# Altium PCB Board.PcbDoc (part 2 of 7) (continued)
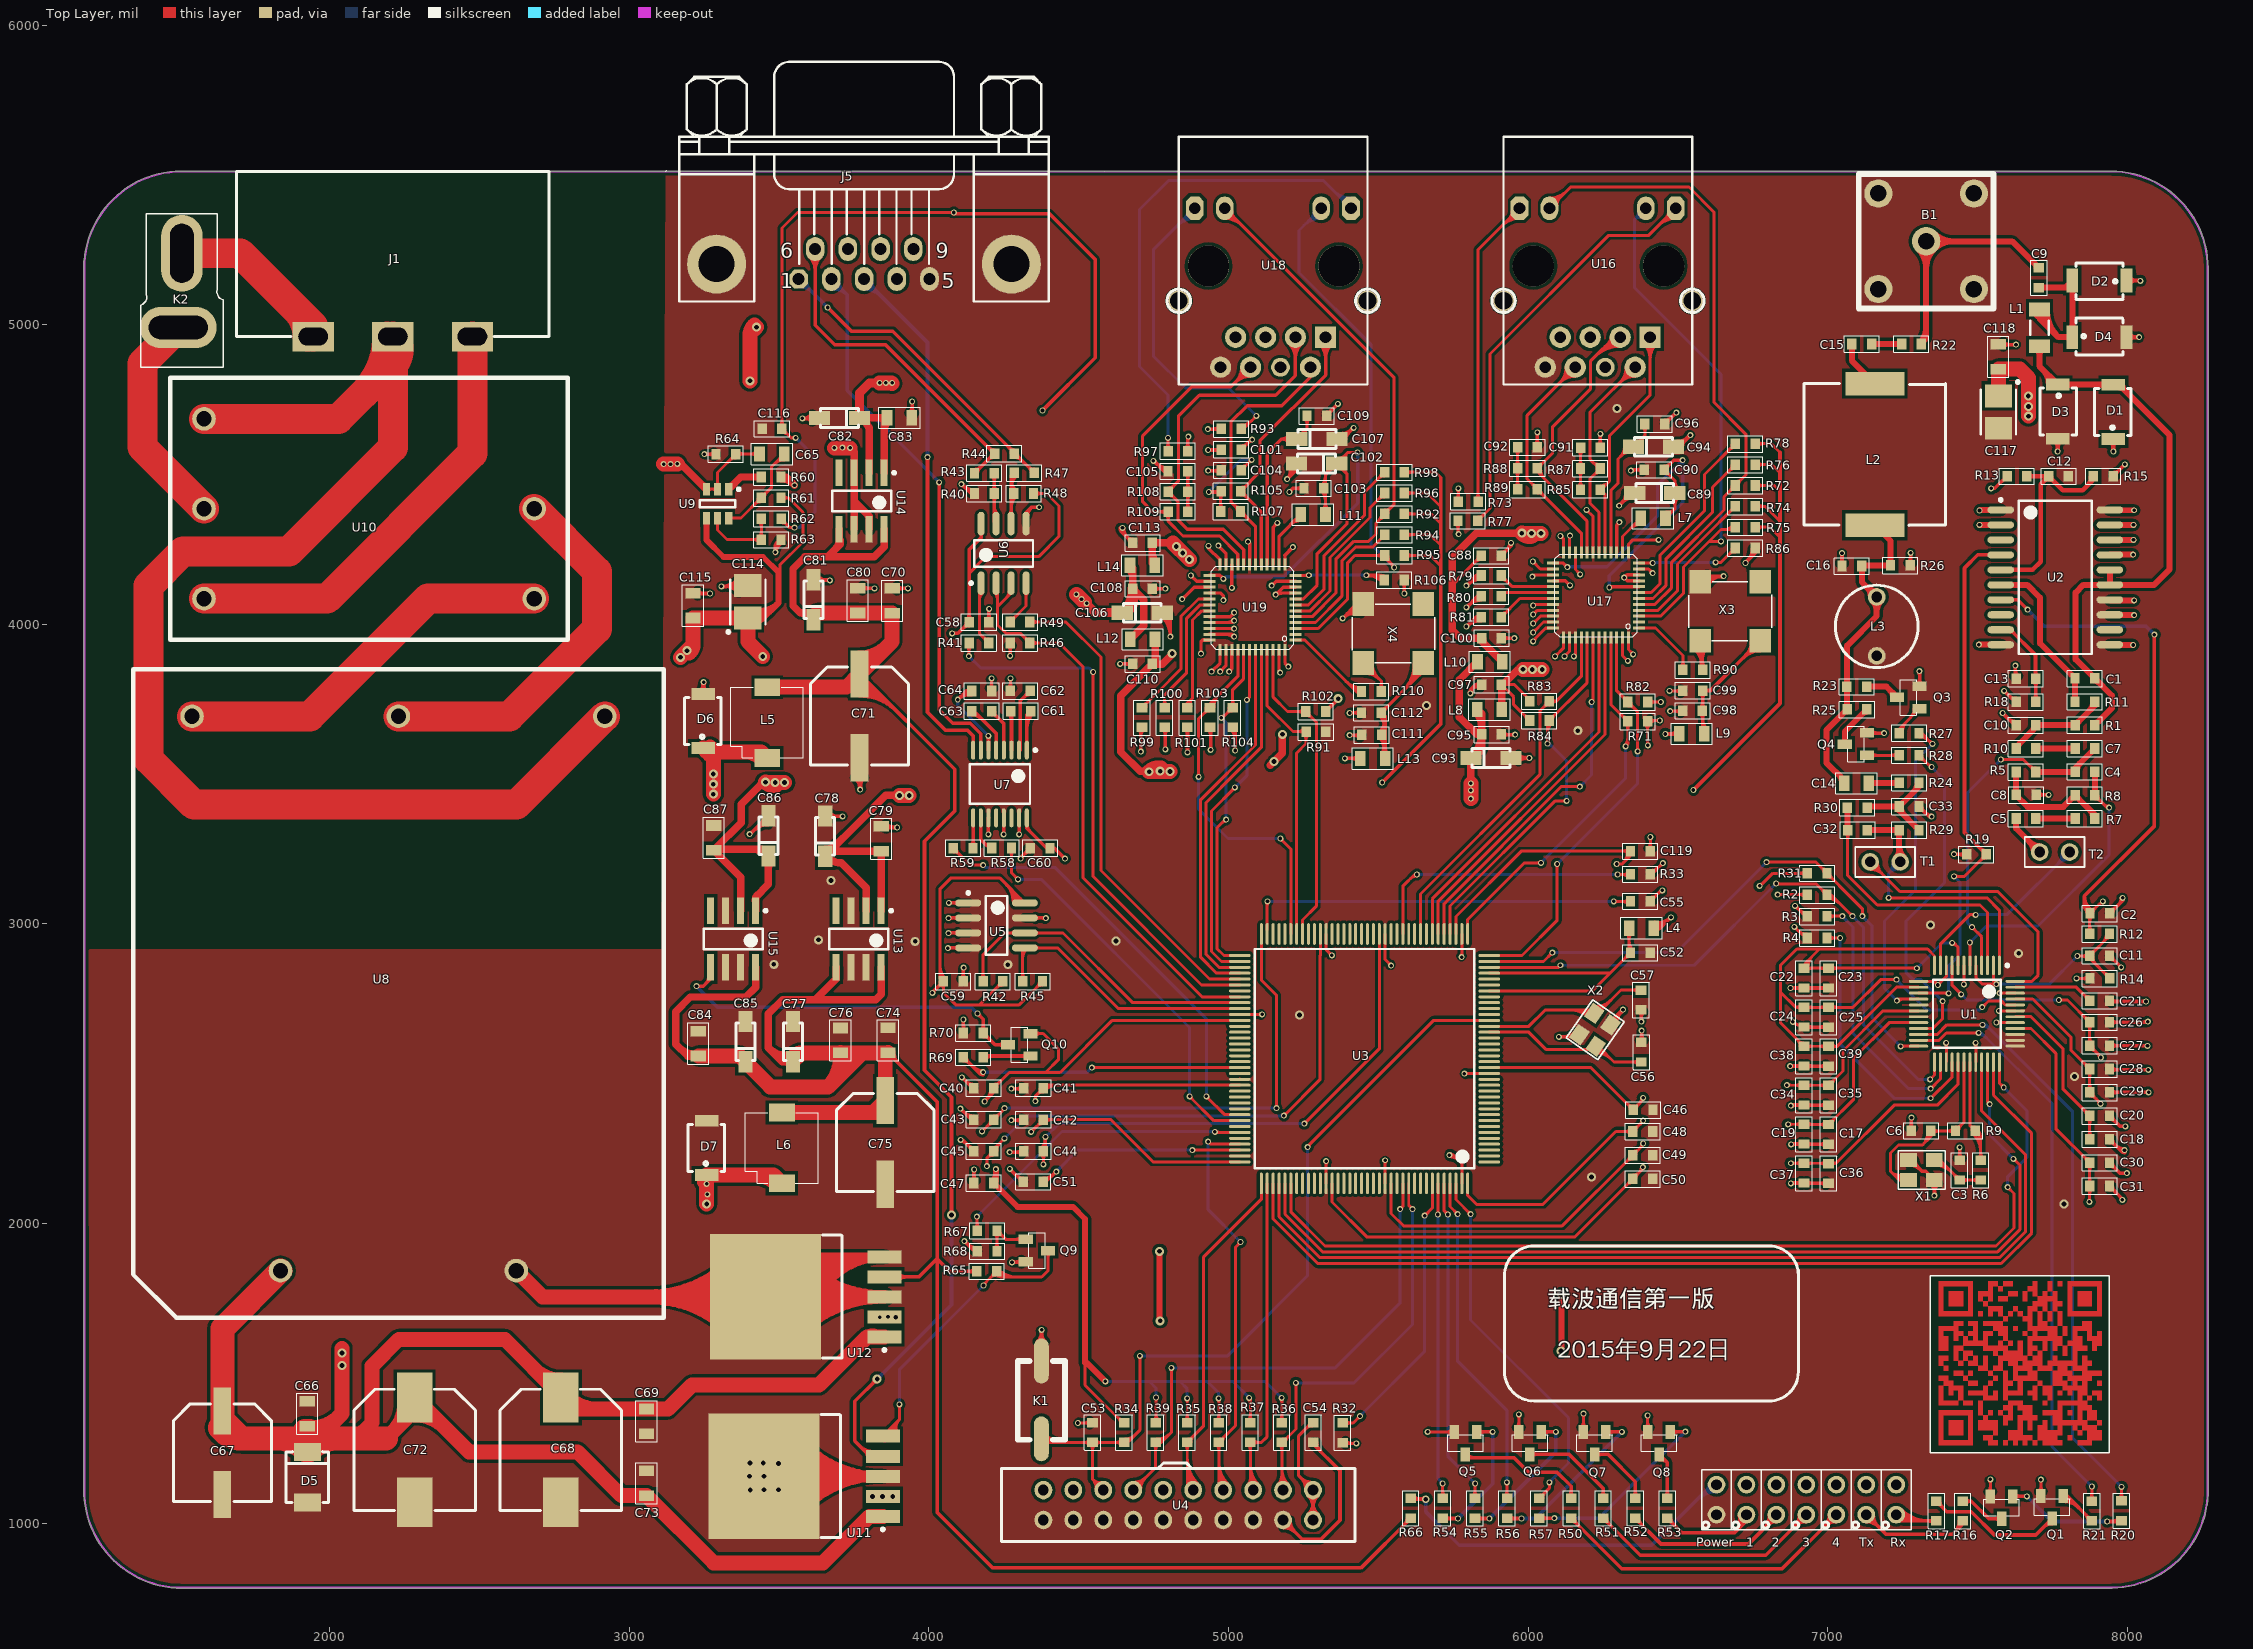
[diagram p0: Top Layer view]
## Nets (pads, with @x,y where several pads share a name; then routed paths per layer and width w, separated by ;. In a path a pad name is that pad's centre, name@x,y a point inside that pad or via, vN(x,y) a via of type N, cw(c..) or ccw(c..) an arc to the next point about the centre after c; other vN are vias at no path point) (continued)
  Top Layer w12: C115.1@3212,4104 3213,4103 v1(3269,4103) ; C115.1@3228.16,4095.72 cw(c3245.75,4078.13) 3245.75,4103 ; C115.1@3228.16,4112.28 ccw(c3250.57,4134.7) 3250.57,4103 ; D6.1@3236.32,3777.68 ccw(c3212.96,3801.04) 3246,3801.04 ccw(c3279.04,3801.04) D6.1@3255.68,3777.68 ; 3244.88,3796.87 cw(c3255.49,3794.02) v1@3250,3803.54 ; D6.1@3246,3768 3246,3805 v1(3248,3807) ; 3246,3792.51 cw(c3262.49,3792.51) v1@3250.83,3804.17 ; 3248.87,3790.33 cw(c3265.83,3794.88) v1@3251.31,3804.75 ; v1(3250,4568) R64.1@3289,4568 ; R64.1@3282.11,4561.11 ccw(c3265.47,4544.47) 3265.47,4568 ccw(c3265.47,4591.53) R64.1@3282.11,4574.89 ; v1@3309,4123.54 cw(c3317.54,4108.75) 3321.96,4125.24 ; v1@3315.4,4127 cw(c3315.4,4056.56) C114.1@3365.21,4106.37 ; 3335.09,4127 ccw(c3335.09,4179.99) C114.1@3373.38,4143.36 ; 3344.37,4127 cw(c3344.37,4085.53) C114.1@3373.7,4114.85 ; C114.1@3364.71,4151.65 cw(c3307,4206.86) v1(3307,4127) 3392.73,4127 C114.1@3395,4129.27 ; v1(3401,3300) 3403.08,3300 C86.1@3464,3360.92 ; v1@3401,3304 ccw(c3401,3318.68) 3411.38,3308.3 ; 3413.75,3310.68 cw(c3464,3260.43) C86.1@3464,3331.49 ; 3434.24,3331.16 cw(c3464,3301.4) C86.1@3464,3343.49 ; C86.1@3442.27,3339.19 ccw(c3432.35,3349.11) C86.1@3446.38,3349.11 ; v1@3485,4244.46 ccw(c3478.28,4256.1) 3491.26,4252.62 ; v1@3487,4236.72 cw(c3525.77,4236.72) R63.1@3509.97,4272.13 ; v1(3487,4241) 3487,4264 ; 3487,4255.22 cw(c3517.52,4255.22) R63.1@3505.08,4283.09 ; R63.1@3490.75,4267.75 ccw(c3477.47,4281.03) R63.1@3496.25,4281.03 ; R63.1@3505.62,4271.29 ccw(c3504.65,4246.36) 3487,4264 ; R63.1@3506,4283 3487,4264 ; R60.1@3506,4492 3524,4492 ; R60.1@3514.16,4486.67 cw(c3524,4480.26) 3524,4492 ; R60.1@3514.16,4497.33 ccw(c3524,4503.74) 3524,4492 ; v1(3577,4688) 3633.08,4688 C82.1@3634.08,4689 ; v1@3577.31,4688 ccw(c3577.31,4733.96) C82.1@3609.81,4701.46 ; v1@3579,4684.54 cw(c3586.1,4672.24) 3589.77,4685.95 ; v1@3582.14,4688 cw(c3582.14,4648.87) C82.1@3609.81,4676.54 ; C81.1@3615,4148.92 3616.92,4147 v1(3669,4147) ; C81.1@3627.46,4136.46 cw(c3652.9,4111.02) 3652.9,4147 ; C81.1@3627.46,4161.38 ccw(c3662.18,4196.1) v1@3662.18,4147 ; C78.1@3653.43,3359.92 3654.35,3359 v1(3712,3359) ; 3655.1,4148.9 ccw(c3659.16,4164.05) v1@3667,4150.46 ; C78.1@3665.89,3347.46 cw(c3693.75,3319.6) 3693.75,3359 ; C78.1@3665.89,3372.38 ccw(c3698.2,3404.69) 3698.2,3359 ; C71.1@3752.23,3487.95 cw(c3716.14,3447.97) v1(3770,3448) ; C71.1@3760.27,3496.85 cw(c3740.52,3474.97) 3770,3474.97 ; C80.2@3762,4120.68 3762.68,4120 v1(3818,4120) ; C71.1@3768,3554.62 3770,3552.62 v1(3770,3448) ; v1@3770,3453.44 cw(c3819.97,3453.44) C71.1@3784.64,3488.77 ; 3772.02,3460.97 ccw(c3785.99,3457.23) v1@3773.46,3450 ; C80.2@3778.16,4112.39 cw(c3796.53,4094.03) 3796.53,4120 ; C80.2@3778.16,4128.96 ccw(c3799.8,4150.6) 3799.8,4120 ; C79.2@3841,3325.68 3844.68,3322 v1(3894,3322) ; C79.2@3857.16,3317.39 cw(c3868.28,3306.27) 3868.28,3322 ; C79.2@3857.16,3333.96 ccw(c3886.04,3362.84) v1@3886.04,3322 ; C70.1@3877,4120 v1(3930,4120) ; 3879.33,3323.8 ccw(c3883.65,3339.92) v1@3892,3325.46 ; C70.1@3893.16,4111.72 cw(c3913.16,4091.71) 3913.16,4120 cw(c3913.16,4148.29) C70.1@3893.16,4128.28 ; C83.2@3934.39,4706.16 ccw(c3911.2,4729.35) 3944,4729.35 ; C83.2@3942.68,4690 3944,4691.32 v1(3944,4744) ; 3944,4722.97 ccw(c3967.77,4722.97) C83.2@3950.96,4706.16 ; v1(4063,2919) 4064,2920 U5.4@4131,2920 ; v1(4065,2969) 4066,2970 U5.3@4131,2970 ; v1(4065,3019) 4066,3020 U5.2@4131,3020 ; v1@4065.83,2916.17 cw(c4075.07,2906.93) 4075.07,2920 ; v1(4066,3070) U5.1@4131,3070 ; v1@4067.83,2966.17 cw(c4077.07,2956.93) 4077.07,2970 ; v1@4067.83,3016.17 cw(c4077.07,3006.93) 4077.07,3020 ; U5.4@4095.39,2915.89 ccw(c4085.47,2905.97) 4085.47,2920 ccw(c4085.47,2934.03) U5.4@4095.39,2924.11 ; U5.3@4095.39,2965.89 ccw(c4085.47,2955.97) 4085.47,2970 ccw(c4085.47,2984.03) U5.3@4095.39,2974.11 ; U5.2@4095.39,3015.89 ccw(c4085.47,3005.97) 4085.47,3020 ccw(c4085.47,3034.03) U5.2@4095.39,3024.11 ; U5.1@4095.39,3065.89 ccw(c4085.47,3055.97) 4085.47,3070 ccw(c4085.47,3084.03) U5.1@4095.39,3074.11 ; v1(4105,2383) 4141.67,2346.33 C43.1@4150,2346.33 ; v1@4106,2275 cw(c4106,2251.66) 4122.5,2268.16 ; v1(4106,2279) 4111.67,2279 C45.1@4150,2240.67 ; C59.1@4107.11,2816.86 ccw(c4090.47,2833.5) 4114,2833.5 ccw(c4137.53,2833.5) C59.1@4120.89,2816.86 ; R70.1@4108.11,2644.86 ccw(c4091.47,2661.5) 4115,2661.5 ccw(c4138.53,2661.5) R70.1@4121.89,2644.86 ; v1(4110,2488) 4146,2452 C40.1@4150,2452 ; C59.1@4114,2808 4114,2852 v1(4116,2854) ; 4114,2839.51 cw(c4130.49,2839.51) v1@4118.83,2851.17 ; R70.1@4115,2636 v1(4115,2681) ; 4115.77,2372.23 ccw(c4150,2406.45) C43.1@4150,2358.05 ; v1(4118,1941) 4152,1907 R68.1@4161,1907 ; v1@4121.86,1942.04 ccw(c4140.41,1947) 4130.81,1930.38 ; v1@4122,1941.08 ccw(c4132.07,1941.28) 4127.03,1932.56 ; 4123.17,2474.83 ccw(c4150,2501.66) C40.1@4150,2463.72 ; 4125.63,1933.37 ccw(c4161,1968.73) R68.1@4161,1918.72 ; 4130,2260.67 ccw(c4150,2280.67) C45.1@4150,2252.38 ; C45.1@4134.75,2255.92 cw(c4121.47,2242.64) C45.1@4140.25,2242.64 ; C47.1@4143.11,2143.86 ccw(c4126.47,2160.5) 4150,2160.5 ccw(c4173.53,2160.5) C47.1@4156.89,2143.86 ; C47.1@4150,2135 4150,2179 v1(4151,2180) ; 4150,2167.93 cw(c4163.07,2167.93) v1@4153.83,2177.17 ; C58.2@4193.11,4016.3 ccw(c4176.47,4032.94) 4200,4032.94 ccw(c4223.53,4032.94) C58.2@4206.89,4016.3 ; v1(4198,3299) 4198,3353.2 U7.11@4198.61,3353.81 ; C58.2@4200,4007.44 4200,4051 v1(4201,4052) ; 4200,4039.93 cw(c4213.07,4039.93) v1@4203.83,4049.17 ; v1(4249,3299) 4249,3353.02 U7.13@4249.8,3353.81 ; R46.1@4264.11,3929.14 cw(c4247.47,3912.5) 4271,3912.5 cw(c4294.53,3912.5) R46.1@4277.89,3929.14 ; v1(4269,2238) 4313.33,2238 C44.1@4316,2240.67 ; v1(4270,2182) 4313,2139 C51.1@4315,2139 ; v1(4271,3895) R46.1@4271,3938 ; v1(4275,2345) 4314.67,2345 C42.1@4316,2346.33 ; v1(4275,2450) 4314,2450 C41.1@4316,2452 ; v1(4277,1870) 4320.8,1870 Q9.1@4323,1872.2 ; v1@4279,1873.46 ccw(c4287.93,1888.94) 4292.56,1871.68 ; v1@4286.29,1870 ccw(c4286.29,1901.03) Q9.1@4308.23,1879.09 ; 4290.78,2238 ccw(c4290.78,2263.92) C44.1@4309.11,2245.59 ; 4290.93,2345 cw(c4290.93,2319.3) C42.1@4309.11,2337.47 ; 4291.58,2160.42 ccw(c4315,2183.83) C51.1@4315,2150.72 ; 4292.39,2450 ccw(c4292.39,2473.64) C41.1@4309.11,2456.92 ; 4292.54,2450 cw(c4292.54,2426.57) C41.1@4309.11,2443.14 ; 4294,2345 ccw(c4294,2366.36) C42.1@4309.11,2351.26 ; 4294.15,2238 cw(c4294.15,2216.85) C44.1@4309.11,2231.81 ; 4296.9,1870 cw(c4296.9,1853.97) Q9.1@4308.23,1865.3 ; v1(4301,3299) U7.15@4300.98,3353.81 ; C51.1@4301.17,2150.83 cw(c4291.3,2140.97) C51.1@4305.25,2140.97 ; v1(4306,3218) 4306,3221 C60.1@4338,3253 ; v1@4310,3218 cw(c4326.9,3218) 4314.95,3229.95 ; 4318,3233 cw(c4338,3213) C60.1@4338,3241.28 ; U5.7@4319.98,3020 4389,3020 v1(4390,3019) ; C60.1@4322.75,3237.75 ccw(c4309.47,3251.03) C60.1@4328.25,3251.03 ; U6.5@4324,4336.41 4324,4373 4342,4391 v1(4368,4391) ; U6.5@4329.81,4363.97 cw(c4365.64,4363.97) 4340.31,4389.31 ; U5.7@4355.58,3015.89 cw(c4365.5,3005.97) 4365.5,3020 cw(c4365.5,3034.03) U5.7@4355.58,3024.11 ; 4377.93,3020 cw(c4377.93,3006.93) v1@4387.17,3016.17 ; v1(4638,3868) C110.2@4680,3868 ; v1@4638,4322 ccw(c4657.31,4322) 4643.66,4308.34 ; v1(4646,4322) 4646,4306 C113.2@4680,4272 ; v1@4650,4322 ccw(c4698.28,4322) 4664.14,4287.86 ; 4660,4292 ccw(c4680,4312) C113.2@4680,4283.72 ; C113.2@4664.75,4287.25 cw(c4651.47,4273.97) C113.2@4670.25,4273.97 ; C110.2@4673.11,3861.11 ccw(c4656.47,3844.47) 4656.47,3868 ccw(c4656.47,3891.53) C110.2@4673.11,3874.89 ; C108.1@4746,4119 v1(4789,4119) ; C108.1@4752.89,4112.11 cw(c4769.53,4095.47) 4769.53,4119 cw(c4769.53,4142.53) C108.1@4752.89,4125.89 ; C106.1@4778.27,4026.54 cw(c4711.33,3959.6) v1@4806,3959.6 ; C106.1@4778.92,4039 4806,4011.92 ; C106.1@4786.76,4035.02 cw(c4740.3,3988.57) 4806,3988.57 ; C106.1@4790.73,4021.38 cw(c4790.73,4007.35) C106.1@4800.65,4017.27 ; C106.1@4795.24,4043.51 cw(c4769.27,4017.54) C106.1@4806,4017.54 ; C106.1@4804.83,4028.42 ccw(c4814.93,4020.85) 4806,4011.92 ; v1(4806,3959) 4806,4011.92 ; v1(4932,4513) 4974.11,4513 C104.2@4975.85,4514.74 ; 4951.75,4513 cw(c4951.75,4488.67) C104.2@4968.96,4505.87 ; 4952.88,4513 ccw(c4952.88,4535.74) C104.2@4968.96,4519.66 ; v1(5011,4122) v1@5011.1,4122.1 ; U3.94@5037.66,2481.1 U3.94@5037.66,2481.79 ; C101.2@5042,4583.26 5075.74,4617 v1(5079,4617) ; C101.2@5042,4594.98 ccw(c5042,4623.27) 5062,4603.27 ; C101.2@5051.75,4585.23 cw(c5070.53,4585.23) C101.2@5057.25,4598.51 ; v1(5065,4276) 5070.16,4270.84 U19.19@5070.16,4199.27 ; 5066.6,4607.86 cw(c5079,4595.46) v1@5079,4613 ; U4.4@5182,985 cw(c5182,924.64) 5224.68,967.32 ; U4.4@5182,997 cw(c5182,965.62) 5204.19,987.81 ; U4.4@5182,1010 5246,946 5309,946 5372,1009 5372,1174 5283,1263 C54.1@5283,1269.15 ; 5188.27,4231.27 v1(5215,4258) ; C102.1@5200.48,4527.42 cw(c5172.02,4508.98) v1(5196,4485) 5227.08,4516.08 C102.1@5227.08,4537 ; v1(5203,4442) 5215,4454 C103.1@5252,4454 ; U4.4@5205.53,1008.53 ccw(c5258.77,1008.53) 5221.12,970.88 ; 5206.49,4495.49 ccw(c5184.75,4517.23) C102.1@5210.55,4533.94 ; 5216.98,4505.98 ccw(c5197.48,4525.47) C102.1@5220.62,4540.47 ; C102.1@5227.47,4516.47 ccw(c5210.21,4533.72) C102.1@5230.69,4546.99 ; C103.1@5245.11,4447.11 ccw(c5228.47,4430.47) 5228.47,4454 ccw(c5228.47,4477.53) C103.1@5245.11,4460.89 ; C54.1@5294.72,1269.15 ccw(c5337.85,1269.15) 5307.35,1238.65 ; C109.1@5328,4696 5328,4699 v1(5365,4736) ; C109.1@5328,4707.72 ccw(c5328,4728.76) 5342.88,4713.88 ; C109.1@5337.75,4697.97 cw(c5363.77,4697.97) 5345.37,4716.37 ; C107.1@5361.92,4619 5381,4619 v1(5418,4656) ; C107.1@5373.73,4624.62 ccw(c5373.73,4655.74) C107.1@5395.74,4633.74 ; C107.1@5373.73,4636.62 ccw(c5373.73,4696.71) v1@5416.22,4654.22 ; C107.1@5391.35,4619 cw(c5416.35,4619) 5398.68,4636.68 ; 5395.42,4034.42 cw(c5431.25,3998.58) X4.2@5445.2,4047.3 ; v1(5404,3630) C111.2@5444,3630 ; v1(5404,3704) 5405,3705 C112.2@5444,3705 ; v1@5406.83,3701.17 cw(c5416.07,3691.93) 5416.07,3705 ; 5408.6,4649.82 ccw(c5402.66,4660.11) v1@5414.14,4657.04 ; 5409.83,4048.83 cw(c5437.67,4020.99) X4.2@5448.5,4058.84 ; 5419.13,3630 cw(c5419.13,3603.16) C111.2@5438.11,3622.14 ; 5423.8,3630 ccw(c5423.8,3650.23) C111.2@5438.11,3635.92 ; C112.2@5437.11,3698.11 ccw(c5420.47,3681.47) 5420.47,3705 ccw(c5420.47,3728.53) C112.2@5437.11,3711.89 ; X4.2@5441.9,4035.77 ccw(c5424.84,3976.17) v1(5381,4020) 5429,4068 X4.2@5450,4068 ; C88.2@5910,4229 5943,4262 v1(5943,4272) ; C88.2@5910,4240.72 ccw(c5910,4269) 5930,4249 ; C88.2@5919.75,4230.97 cw(c5938.53,4230.97) C88.2@5925.25,4244.25 ; 5929.1,4248.1 ccw(c5905.2,4272) v1@5939,4272 ; C92.2@6024.26,4599.86 ccw(c6007.98,4616.14) 6031,4616.14 ; 6031,4616.86 ccw(c6055.04,4616.86) C92.2@6038.04,4599.86 ; v1(6031,4641) 6031,4591.15 C92.2@6031.15,4591 ; v1(6103,2623) 6163.79,2623 X2.4@6171.17,2630.39 ; 6116.32,2623 ccw(c6116.32,2679.76) X2.4@6156.46,2639.62 ; 6136.43,2623 cw(c6136.43,2594.67) X2.4@6156.46,2614.7 ; X2.4@6145.29,2623 ccw(c6145.29,2650.79) X2.4@6164.94,2631.14 ; C91.2@6234.26,4598.86 ccw(c6217.98,4615.14) 6241,4615.14 ; 6241,4615.86 ccw(c6265.04,4615.86) C91.2@6248.04,4598.86 ; v1(6241,4636) 6241,4590.15 C91.2@6241.15,4590 ; X2.2@6275.68,2662.95 6275.68,2672.68 v1(6317,2714) ; X2.2@6277.94,2683.8 ccw(c6277.94,2705.18) 6293.06,2690.06 ; X2.2@6283.56,2666.18 cw(c6318.29,2666.18) 6293.73,2690.73 ; X2.2@6295.56,2666.18 cw(c6359.26,2666.18) v1@6314.22,2711.22 ; v1@6302.96,4399.86 ccw(c6297.8,4419.15) 6315.09,4409.17 ; v1@6303.77,4399.99 ccw(c6303.1,4411.55) 6313.12,4405.76 ; v1(6304,4396) 6347,4439 C89.1@6356.08,4439 ; 6310.06,2704.02 cw(c6321.43,2697.45) v1@6318.04,2710.14 ; 6312.25,4404.25 ccw(c6277.51,4439) C89.1@6326.65,4439 ; 6318.85,4410.85 cw(c6344.27,4385.43) C89.1@6344.27,4421.38 ; v1(6343,4513) 6346,4516 C90.1@6388,4516 ; v1@6345.83,4510.17 cw(c6359.9,4496.1) 6359.9,4516 ; C57.1@6372.08,2706.11 cw(c6357.77,2691.8) 6378,2691.8 ; C56.1@6373.08,2611.89 ccw(c6358.77,2626.2) 6379,2626.2 ; C57.1@6377,2713 6378,2712 v1(6378,2674) ; C56.1@6378,2605 6379,2606 v1(6379,2644) ; 6378,2687.13 cw(c6404.84,2687.13) C57.1@6385.86,2706.11 ; 6379,2630.87 ccw(c6405.84,2630.87) C56.1@6386.86,2611.89 ; C90.1@6381.11,4509.11 ccw(c6364.47,4492.47) 6364.47,4516 ccw(c6364.47,4539.53) C90.1@6381.11,4522.89 ; C96.1@6456,4669 6494,4707 v1(6495,4707) ; C96.1@6456,4680.72 ccw(c6456,4709) 6476,4689 ; C96.1@6465.75,4670.97 cw(c6484.53,4670.97) C96.1@6471.25,4684.25 ; C94.1@6485.92,4593 6503,4593 v1(6542,4632) ; 6486.46,4699.46 cw(c6495,4690.93) v1@6495,4703 ; C94.1@6497.73,4610.62 ccw(c6497.73,4665.88) v1@6536.81,4626.81 ; C94.1@6515.35,4593 cw(c6545.18,4593) 6524.09,4614.09 ; 6530.61,4623.23 ccw(c6522.54,4637.21) v1@6538.14,4633.04 ; v1(6875,2525) 6875.6,2525.6 C38.1@6921,2525.6 6921.4,2525.2 C39.1@7003,2525.2 ; v1(6876,2786) C23.1@7003,2786 ; v1(6877,2134) 6878,2135 C37.1@6921,2135 6922,2134 C36.1@7003,2134 ; v1(6877,2393) 6879.4,2395.4 C34.1@6921,2395.4 6921.6,2394.8 C35.1@7003,2394.8 ; v1@6877.83,2522.17 cw(c6886.11,2513.89) 6886.11,2525.6 ; v1(6878,2264) 6879.2,2265.2 C19.1@6921,2265.2 6921.8,2264.4 C17.1@7003,2264.4 ; v1@6879.83,2131.17 cw(c6889.07,2121.93) 6889.07,2135 ; v1@6879.83,2390.17 cw(c6892.45,2377.55) 6892.45,2395.4 ; v1@6880.83,2261.17 cw(c6890.55,2251.45) 6890.55,2265.2 ; v1(6884,2673) ccw(c6913.04,2702.04) C24.1@6913.04,2660.97 ; C37.1@6912.14,2128.11 ccw(c6895.5,2111.47) 6895.5,2135 ccw(c6895.5,2158.53) C37.1@6912.14,2141.89 ; C19.1@6912.14,2258.31 ccw(c6895.5,2241.67) 6895.5,2265.2 ccw(c6895.5,2288.73) C19.1@6912.14,2272.09 ; C34.1@6912.14,2388.51 ccw(c6895.5,2371.87) 6895.5,2395.4 ccw(c6895.5,2418.93) C34.1@6912.14,2402.29 ; C38.1@6912.14,2518.71 ccw(c6895.5,2502.07) 6895.5,2525.6 ccw(c6895.5,2549.13) C38.1@6912.14,2532.49 ; C22.1@6912.14,2779.11 ccw(c6895.5,2762.47) 6895.5,2786 ccw(c6895.5,2809.53) C22.1@6912.14,2792.89 ; C24.1@6921,2655.8 6921.2,2655.6 C25.1@7003,2655.6 ; C37.1@6929.86,2128.11 cw(c6944.09,2113.88) 6944.09,2134 ; C37.1@6929.86,2141.89 ccw(c6948.92,2160.95) 6948.92,2134 ; C19.1@6929.86,2258.31 cw(c6944.57,2243.6) 6944.57,2264.4 ; C19.1@6929.86,2272.09 ccw(c6948.43,2290.67) 6948.43,2264.4 ; C34.1@6929.86,2388.51 cw(c6945.05,2373.31) 6945.05,2394.8 ; C34.1@6929.86,2402.29 ccw(c6947.95,2420.38) 6947.95,2394.8 ; C38.1@6929.86,2518.71 cw(c6945.54,2503.03) 6945.54,2525.2 ; C38.1@6929.86,2532.49 ccw(c6947.47,2550.1) 6947.47,2525.2 ; C24.1@6929.86,2648.91 cw(c6946.02,2632.75) 6946.02,2655.6 ; C24.1@6929.86,2662.69 ccw(c6946.99,2679.82) 6946.99,2655.6 ; C22.1@6929.86,2779.11 cw(c6946.5,2762.47) 6946.5,2786 cw(c6946.5,2809.53) C22.1@6929.86,2792.89 ; C36.1@6994.14,2127.11 ccw(c6977.5,2110.47) 6977.5,2134 ccw(c6977.5,2157.53) C36.1@6994.14,2140.89 ; C17.1@6994.14,2257.51 ccw(c6977.5,2240.87) 6977.5,2264.4 ccw(c6977.5,2287.93) C17.1@6994.14,2271.29 ; C35.1@6994.14,2387.91 ccw(c6977.5,2371.27) 6977.5,2394.8 ccw(c6977.5,2418.33) C35.1@6994.14,2401.69 ; C39.1@6994.14,2518.31 ccw(c6977.5,2501.67) 6977.5,2525.2 ccw(c6977.5,2548.73) C39.1@6994.14,2532.09 ; C25.1@6994.14,2648.71 ccw(c6977.5,2632.07) 6977.5,2655.6 ccw(c6977.5,2679.13) C25.1@6994.14,2662.49 ; C23.1@6994.14,2779.11 ccw(c6977.5,2762.47) 6977.5,2786 ccw(c6977.5,2809.53) C23.1@6994.14,2792.89 ; C16.2@7041.11,4203.86 ccw(c7024.47,4220.5) 7048,4220.5 ccw(c7071.53,4220.5) C16.2@7054.89,4203.86 ; C16.2@7048,4195 v1(7048,4238) ; Q4.1@7132.8,3637 v1(7189,3637) ; Q4.1@7146.77,3630.91 cw(c7161.47,3616.21) 7161.47,3637 ; Q4.1@7146.77,3644.7 ccw(c7165.35,3663.28) 7165.35,3637 ; R26.1@7269.11,4205.86 ccw(c7250.05,4224.92) 7277,4224.92 ; X1.4@7270,2211.93 7277.43,2211.93 7315.06,2174.31 7327.31,2174.31 X1.2@7356.61,2145 7356,2144.39 v1(7356,2093) ; C6.2@7272.11,2318.86 ccw(c7255.47,2335.5) 7279,2335.5 ccw(c7302.53,2335.5) C6.2@7285.89,2318.86 ; X1.4@7273.94,2194.31 cw(c7273.94,2143.32) 7309.99,2179.37 ; R26.1@7276,4197 7277,4198 v1(7277,4239) ; 7277,4220.09 ccw(c7297.12,4220.09) R26.1@7282.89,4205.86 ; C6.2@7279,2310 7279,2352 v1(7280,2353) ; 7279,2340.93 cw(c7292.07,2340.93) v1@7282.83,2350.17 ; X1.4@7291.56,2211.93 ccw(c7325.66,2211.93) 7301.55,2187.81 ; Q3.1@7300.11,3800.7 ccw(c7283.47,3817.34) 7307,3817.34 ccw(c7330.53,3817.34) Q3.1@7313.89,3800.7 ; v1@7303.17,3841.17 cw(c7293.93,3831.93) 7307,3831.93 ; C33.2@7305,3380.28 cw(c7305,3352) 7325,3372 ; C33.2@7305,3392 7339,3358 v1(7347,3358) ; v1(7306,3844) 7307,3843 Q3.1@7307,3793.8 ; C33.2@7314.75,3390.03 ccw(c7333.53,3390.03) C33.2@7320.25,3376.75 ; 7326.51,3370.49 ccw(c7347,3390.97) v1@7347,3362 ; X1.2@7344.15,2132.54 cw(c7315.55,2103.94) 7356,2103.94 ; v1@7356,2100.97 cw(c7400.64,2100.97) X1.2@7369.07,2132.54 ; 7357.8,2107.67 ccw(c7373.93,2103.35) v1@7359.46,2095 ; v1(7422,3233) 7423,3232 R19.1@7464,3232 ; v1@7424.83,3235.83 ccw(c7434.07,3245.07) 7434.07,3232 ; C3.2@7434.11,2217.89 ccw(c7417.47,2234.53) 7441,2234.53 ccw(c7464.53,2234.53) C3.2@7447.89,2217.89 ; C3.2@7441,2211 v1(7441,2254) ; R19.1@7457.11,3225.11 ccw(c7440.47,3208.47) 7440.47,3232 ccw(c7440.47,3255.53) R19.1@7457.11,3238.89 ; v1(7507,4380) v1@7509,4382 ; C118.1@7570,4935 7571,4934 v1(7629,4934) ; v1(7584,3704) 7624.29,3663.71 C10.2@7629,3663.71 ; C118.1@7586.16,4926.72 cw(c7603.75,4909.13) 7603.75,4934 ; C118.1@7586.16,4943.28 ccw(c7608.57,4965.7) 7608.57,4934 ; v1(7589,3778) 7625.93,3741.07 R18.1@7629.15,3741.07 ; 7600.97,3687.03 ccw(c7629,3715.07) C10.2@7629,3675.42 ; 7603.65,3763.35 ccw(c7629.15,3788.86) R18.1@7629.15,3752.79 ; C13.1@7622.26,3827.86 ccw(c7610.81,3839.31) 7627,3839.31 ; 7627,3849.69 ccw(c7657.87,3849.69) C13.1@7636.04,3827.86 ; v1(7627,3862) 7627,3821.15 C13.1@7629.15,3819 ; C8.1@7696.07,3431 v1(7738,3431) ; C8.1@7702.97,3424.11 cw(c7719.61,3407.47) 7719.61,3431 cw(c7719.61,3454.53) C8.1@7702.97,3437.89 ; D3.1@7758.32,4610.32 cw(c7734.96,4586.96) 7768,4586.96 cw(c7801.04,4586.96) D3.1@7777.68,4610.32 ; v1@7764.54,4579 ccw(c7748.55,4588.23) 7766.38,4593.01 ; v1(7768,4577) D3.1@7768,4620 ; 7769.62,4593.01 ccw(c7787.45,4588.23) v1@7771.46,4579 ; C31.1@7941,2113.28 cw(c7941,2085) 7961,2105 ; C31.1@7941,2125 7984,2082 v1(7984,2079) ; C30.1@7941,2191.43 cw(c7941,2163.14) 7961,2183.14 ; C30.1@7941,2203.14 7976.14,2168 v1(7999,2168) ; C18.1@7941,2269.57 cw(c7941,2241.28) 7961,2261.28 ; C18.1@7941,2281.29 7977.29,2245 v1(7991,2245) ; C20.1@7941,2347.71 cw(c7941,2319.43) 7961,2339.43 ; C20.1@7941,2359.43 7976.43,2324 v1(7994,2324) ; C29.1@7941,2437.57 8071.57,2437.57 v1(8072,2438) ; C28.1@7941,2515.71 7943.71,2513 v1(8071,2513) ; C27.1@7941,2593.86 7941.86,2593 v1(8068,2593) ; C26.1@7941,2672 8067,2672 v1(8069,2674) ; C21.1@7941,2744 7944,2741 v1(8063,2741) ; C2.1@7942,3035 7985,3078 v1(7985,3087) ; C2.1@7942,3046.72 ccw(c7942,3075) 7962,3055 ; U2.11@7942.17,3932 U2.11@7943.17,3931 ; U2.13@7942.17,4032 U2.13@7943.17,4031 ; U2.14@7942.17,4082 U2.14@7944.17,4080 ; U2.20@7942.17,4382 U2.20@7943.17,4381 ; C29.1@7947.89,2430.68 cw(c7964.53,2414.04) 7964.53,2437.57 cw(c7964.53,2461.11) C29.1@7947.89,2444.46 ; C28.1@7947.89,2506.85 cw(c7962.73,2492.01) 7962.73,2513 ; C28.1@7947.89,2520.64 ccw(c7966.33,2539.08) 7966.33,2513 ; C27.1@7947.89,2586.96 cw(c7962.47,2572.39) 7962.47,2593 ; C27.1@7947.89,2600.75 ccw(c7966.6,2619.46) 7966.6,2593 ; C26.1@7947.89,2665.11 cw(c7964.53,2648.47) 7964.53,2672 cw(c7964.53,2695.53) C26.1@7947.89,2678.89 ; C21.1@7947.89,2735.14 cw(c7962.04,2720.99) 7962.04,2741 ; C21.1@7947.89,2748.92 ccw(c7967.02,2768.06) 7967.02,2741 ; C31.1@7950.75,2123.03 ccw(c7969.53,2123.03) C31.1@7956.25,2109.75 ; C30.1@7950.75,2201.17 ccw(c7969.53,2201.17) C30.1@7956.25,2187.89 ; C18.1@7950.75,2279.32 ccw(c7969.53,2279.32) C18.1@7956.25,2266.04 ; C20.1@7950.75,2357.46 ccw(c7969.53,2357.46) C20.1@7956.25,2344.18 ; C2.1@7951.75,3036.97 cw(c7970.53,3036.97) C2.1@7957.25,3050.25 ; R15.1@7953,4495 v1(7992,4534) ; R15.1@7953,4506.72 ccw(c7953,4535) 7973,4515 ; 7960.76,2261.53 ccw(c7991,2291.77) v1@7991,2249 ; R15.1@7962.75,4496.97 cw(c7981.53,4496.97) R15.1@7968.25,4510.25 ; 7971.81,3064.81 ccw(c7949.62,3087) v1@7981,3087 ; 7975.05,2090.95 cw(c7963.1,2079) v1@7980,2079 ; 7981.24,2241.04 ccw(c7991,2250.8) v1@7991,2237 ; D4.1@7998,4959 v1(8040,4959) ; D4.1@8007.68,4949.32 cw(c8031.04,4925.96) 8031.04,4959 cw(c8031.04,4992.04) D4.1@8007.68,4968.68 ; 8024.66,4957.29 cw(c8029.21,4940.31) v1@8038,4955.54 ; 8024.66,4960.71 ccw(c8029.21,4977.69) v1@8038,4962.46 ; 8054.51,2672 ccw(c8054.51,2688.49) v1@8066.17,2676.83 ; 8061.31,2437.57 ccw(c8061.31,2448.69) v1@8069.17,2440.83
  Top Layer w20: v1(7505,3932) U2.10@7578,3932 ; v1@7509,4382 U2.1@7578,4382 ; U2.11@7943.17,3931 v1(8020,3931) ; U2.13@7943.17,4031 v1(8023,4031) ; U2.20@7943.17,4381 v1(8023,4381) ; U2.14@7944.17,4080 v1(8023,4080)
  Top Layer w25: R60.1@3506,4486.78 cw(c3506,4430.73) v1@3545.63,4470.37 ; 3524,4492 v1(3551,4465) ; v1(3737,4589) 3750,4576 U14.3@3750,4506 3750,4411 ; v1@3738.27,4591.15 cw(c3726.16,4570.62) 3750,4570.62 ; v1@3738.77,4590.77 cw(c3711.65,4563.65) 3750,4563.65 ; U14.6@3750,4317.02 3750,4411 ; 3793.05,4367.95 cw(c3774.6,4349.5) U14.7@3800.69,4349.5 ; U14.7@3800,4317.02 3800,4361 3750,4411
  Top Layer w30: v2(3449.3,1155.86) U11.3@3846,1155.86 ; U12.6@3454.3,1754.86 3588.16,1888.72 U12.5@3851,1888.72 ccw(c3850.98,1637.4) U12.6@3614.38,1722.13 ; U12.6@3473.17,1772.71 cw(c3637.93,1713.7) U12.6@3637.93,1888.72 ; v2(3498,1111) ccw(c3508.95,1156.29) U11.6@3533.23,1116.52 ; v2(3498,1199) cw(c3510.13,1148.85) U11.6@3537.02,1192.89 ; U12.6@3501.41,1762.59 cw(c3680.54,1698.44) 3680.54,1888.72 ; U11.6@3507.27,1100.67 cw(c3636.02,978.08) 3636.02,1155.86 cw(c3636.02,1333.64) U11.6@3507.27,1211.05 ; U11.6@3528.99,1079.98 cw(c3706.01,911.44) 3706.01,1155.86 cw(c3706.01,1400.28) U11.6@3528.99,1231.74 ; U12.6@3529.65,1752.48 cw(c3723.15,1683.18) 3723.15,1888.72 ; U11.6@3550.72,1059.29 cw(c3776,844.8) 3776,1155.86 cw(c3776,1466.91) U11.6@3550.72,1252.42 ; U12.6@3557.9,1742.36 cw(c3765.76,1667.92) 3765.76,1888.72 ; U11.6@3572.45,1038.61 cw(c3845.98,778.17) U11.3@3846,1155.86 ; U11.6@3572.45,1273.11 ccw(c3845.98,1533.55) U11.3@3846,1155.86 ; U12.6@3586.14,1732.25 cw(c3808.37,1652.66) U12.5@3808.37,1888.72
  Top Layer w45: U12.6@3454.3,1754.86 U12.3@3851,1754.86 ; U12.6@3537.41,1671.75 cw(c3738.06,1471.09) 3738.06,1754.86 cw(c3738.06,2038.62) U12.6@3537.41,1837.97 ; U12.6@3569.23,1639.93 cw(c3846.7,1362.45) 3846.7,1754.86 cw(c3846.7,2147.26) U12.6@3569.23,1869.79
  Top Layer w50: U8.4@2622.45,1842.61 2710.2,1754.86 U12.6@3454.3,1754.86 ; U12.6@3341.13,1641.69 ccw(c3067.93,1368.49) 3067.93,1754.86 ccw(c3067.93,2141.23) U12.6@3341.13,1868.02 ; U12.6@3376.49,1677.05 ccw(c3188.64,1489.2) 3188.64,1754.86 ccw(c3188.64,2020.52) U12.6@3376.49,1832.67 ; v1(3684,4589) v1(3737,4589)
  other v1: 3711,4590
  other v2: 3403,1110 3449,1111 3401,1156 3402,1200 3447,1200 7789,2065 6212,2155 7824,2491 5237,2696 4263,2864 3482,2865 7638,2902 3954,2942 4624,2943 3631,2947 7343,2996 3673,3145 6166,3645 5661,3729 6297,4721
INT: R2.1 U1.25 U3.34 | length 2345.1
  Top Layer w10: U3.34@5870.34,2855.12 6101.12,2855.12 v1(6108,2862) ; v1(6828,3135) 6830,3133 6962.22,3133 R2.1@6997.85,3097.37 7011.63,3097.37 v1(7083,3026) ; v1@6831.54,3138.54 ccw(c6844.9,3151.9) 6844.9,3133 ; 6976.14,3119.08 ccw(c6997.85,3140.79) R2.1@6997.85,3110.09 ; 6980.89,3114.33 cw(c6965.91,3099.34) R2.1@6987.1,3099.34 ; R2.1@6997.85,3084.66 cw(c6997.85,3020.7) 7043.08,3065.92 ; R2.1@6997.85,3094.66 cw(c6997.85,3054.84) 7026.01,3082.99 ; v1@7078,3026 ccw(c7065.93,3026) 7074.46,3034.54 ccw(c7083,3043.07) v1@7083,3031 ; v1(7342,2481) 7356.73,2495.73 U1.25@7356.73,2538.58
  Bottom Layer w10: v1(6108,2862) 6555,2862 v1(6828,3135) ; v1@6111.54,2858.46 cw(c6120.07,2849.93) 6120.07,2862 cw(c6120.07,2874.07) v1@6111.54,2865.54 ; v1@6823,3135 cw(c6810.93,3135) 6819.46,3126.46 cw(c6828,3117.93) v1@6828,3130 ; v1@7083,3021 cw(c7083,3008.93) 7091.54,3017.46 cw(c7100.07,3026) v1@7088,3026 ; v1(7083,3026) 7120,2989 7120,2663 7302,2481 v1(7342,2481) ; v1@7338.46,2477.46 ccw(c7329.93,2468.93) 7329.93,2481 ccw(c7329.93,2493.07) v1@7338.46,2484.54
INT1: R103.2 U3.67 U19.40 | length 1422.7
  Top Layer w10: v1@4896.45,3494.55 ccw(c4887.91,3503.09) 4899.98,3503.09 ccw(c4912.05,3503.09) v1@4903.52,3494.55 ; v1(4899.98,3491.02) 4899.98,3684.98 4937,3722 R103.2@4938.25,3722 ; 4917.43,3702.43 ccw(c4897.85,3722) R103.2@4925.53,3722 ; 4919.16,3704.16 cw(c4936.28,3687.04) R103.2@4936.28,3711.25 ; R103.2@4932.12,3728.12 5030.79,3826.79 U19.40@5030.79,3915.27 ; R103.2@4940.97,3722 cw(c4977.1,3722) 4951.55,3747.55 ; R103.2@4950.97,3722 cw(c5011.24,3722) 4968.62,3764.62 ; v1@5173,3280 cw(c5173,3267.93) 5181.54,3276.46 cw(c5190.07,3285) v1@5178,3285 ; v1(5173,3285) 5207.94,3250.06 U3.67@5207.94,2966.34
  Bottom Layer w10: v1@4896.45,3487.48 cw(c4887.91,3478.95) 4899.98,3478.95 cw(c4912.05,3478.95) v1@4903.52,3487.48 ; v1(4899.98,3491.02) 4899.98,3383.02 4998,3285 v1(5173,3285) ; v1@5169.46,3281.46 ccw(c5160.93,3272.93) 5160.93,3285 ccw(c5160.93,3297.07) v1@5169.46,3288.54
INT2: R83.2 U3.45 U17.40 | length 1300.1
  Top Layer w10: U3.45@5641.01,2966.34 5641.01,3100.2 6039,3498.19 6039,3711 R83.2@6071,3743 6094,3743 ; 6049.29,3721.29 cw(c6071,3699.58) R83.2@6071,3730.28 ; 6054.04,3726.04 ccw(c6039.06,3741.03) R83.2@6060.25,3741.03 ; R83.2@6079.25,3736.11 cw(c6094,3723.77) 6094,3743 ; R83.2@6079.25,3749.89 ccw(c6094,3762.23) 6094,3743 ; U17.40@6177.79,3956.27 6177.79,3826.79 6094,3743
MISO1: U3.75 U19.44 | length 1242.2
  Top Layer w10: 4976,3456 5109.53,3589.53 U19.44@5109.53,3915.27 ; 4989.16,3468.84 4925,3404.68 4925,2898.32 4968.2,2855.12 U3.75@5037.66,2855.12
MISO2: U3.42 U17.44 | length 1220.8
  Top Layer w10: U3.42@5700.06,2966.34 5700.06,3075.74 6257,3632.68 6257,3955.8 U17.44@6256.53,3956.27
MOSI1: U3.76 U19.43 | length 1255.2
  Top Layer w10: U3.76@5037.66,2835.43 4960.05,2835.43 4907,2888.48 4907,3414.52 5089.84,3597.36 U19.43@5089.84,3915.27
MOSI2: U3.43 U17.43 | length 1220.6
  Top Layer w10: U3.43@5680.38,2966.34 5680.38,3083.89 6237,3640.52 6237,3662.69 6236.84,3662.84 U17.43@6236.84,3956.27
NetC1_1: C1.1 D1.1 D3.2 L1.1 R1.2 U2.15 U2.16 | length 2217.2
  Top Layer w15: D3.2@7768,4801.1 D3.2@7769.1,4800
  Top Layer w20: L1.1@7697.65,4919.03 cw(c7675.06,4896.45) 7707,4896.45 cw(c7738.94,4896.45) L1.1@7716.35,4919.03 ; L1.1@7707,4928.39 7707,4862.1 D3.2@7768,4801.1 ; 7717.86,4851.24 cw(c7667.72,4801.1) D3.2@7738.63,4801.1 ; D3.2@7769.1,4800 D1.1@7954,4800 7974,4800 8142,4632 8142,4184 8090,4132 U2.15@7942.17,4132 ; D3.2@7794.53,4794.25 cw(c7808.41,4780.38) 7808.41,4800 ; D3.2@7794.53,4807.95 ccw(c7813.73,4827.15) 7813.73,4800 ; C1.1@7878.68,3832.73 ccw(c7891.85,3845.9) C1.1@7891.85,3827.28 ; C1.1@7891.85,3811.84 cw(c7891.85,3793.21) C1.1@7905.02,3806.39 ; R1.2@7892,3663.33 7949,3720.33 7949,3762.41 C1.1@7891.85,3819.56 7828,3883.41 7828,4106 7854,4132 U2.15@7942.17,4132 ; R1.2@7892,3671.05 ccw(c7892,3689.68) R1.2@7905.17,3676.51 ; D1.1@7927.47,4793.15 ccw(c7910.93,4776.62) 7910.93,4800 ccw(c7910.93,4823.38) D1.1@7927.47,4806.85 ; U2.16@7942.17,4182 U2.15@7942.17,4132 ; D1.1@7973.69,4790.31 cw(c7973.69,4766.17) D1.1@7990.76,4783.24 ; D1.1@7983.37,4800 ccw(c8005.99,4800) D1.1@7990,4784
NetC1_2: C1.2 R11.2 U2.6 | length 559.1
  Top Layer w20: U2.6@7578,4132 7666,4132 7709,4089 7709,3936.41 C1.2@7825.85,3819.56 R11.2@7825.85,3741.73 ; C1.2@7812.68,3832.73 ccw(c7825.85,3845.9) C1.2@7825.85,3827.28
NetC3_1: C3.1 R6.2 X1.3 | length 417
  Top Layer w10: X1.3@7356.61,2211.93 7374.07,2211.93 C3.1@7441,2145 R6.2@7511,2145 ; X1.3@7360.55,2193.31 cw(c7360.55,2115.71) 7415.42,2170.58 ; X1.3@7360.55,2203.31 cw(c7360.55,2149.85) 7398.35,2187.65 ; X1.3@7379.17,2211.93 ccw(c7391.49,2211.93) X1.3@7382.78,2203.22 ; 7419.29,2166.71 cw(c7397.58,2145) C3.1@7428.28,2145 ; 7424.04,2161.96 ccw(c7439.03,2176.94) C3.1@7439.03,2155.75 ; C3.1@7450.57,2137.4 cw(c7468.92,2119.05) 7468.92,2145 cw(c7468.92,2170.95) C3.1@7450.57,2152.6 ; R6.2@7501.43,2137.4 ccw(c7483.08,2119.05) 7483.08,2145 ccw(c7483.08,2170.95) R6.2@7501.43,2152.6
NetC4_1: C4.1 C7.2 R5.2 U1.4 | length 1284.6
  Top Layer w10: v1@7482,2984 cw(c7482,2971.93) 7490.54,2980.46 cw(c7499.07,2989) v1@7487,2989 ; v1(7482,2989) 7514.21,2956.79 U1.4@7514.21,2861.42 ; v1(7578,3549) 7653.44,3549 R5.2@7695.15,3507.29 ; v1@7581.54,3545.46 cw(c7590.07,3536.93) 7590.07,3549 cw(c7590.07,3561.07) v1@7581.54,3552.54 ; 7673.44,3529 ccw(c7695.15,3550.71) R5.2@7695.15,3520.01 ; 7678.19,3524.25 cw(c7663.21,3509.26) R5.2@7684.4,3509.26
  Top Layer w20: R5.2@7695.15,3507.29 7695.52,3507.67 C4.1@7826,3507.67 7826,3519.5 C7.2@7892,3585.5 ; C4.1@7831.75,3509.64 cw(c7869.44,3509.64) 7842.79,3536.29 ; C7.2@7878.83,3572.33 cw(c7892,3559.15) C7.2@7892,3577.78
  Bottom Layer w10: v1@7477,2989 ccw(c7464.93,2989) 7473.46,2997.54 ccw(c7482,3006.07) v1@7482,2994 ; v1(7482,2989) 7467,3004 7467,3438 v1(7578,3549) ; v1@7573,3549 cw(c7560.93,3549) 7569.46,3540.46 cw(c7578,3531.93) v1@7578,3544